# Altium PCB cheriot-test.PcbDoc (part 6 of 12)
Units mil, origin at the board's own origin, x right, y up, seen from the top; angles counter-clockwise.
Board outline 6629.92 x 3149.61 mil, 8 copper layers (Top Layer, Int1 (Sign), Int2 (GND), Int3 (Sign), Int4 (Sign), Int5 (PWR), Int6 (Sign), Bottom Layer), stack 60.424 mil thick; 496 components, 639 nets, 2898 pads, 1737 vias.
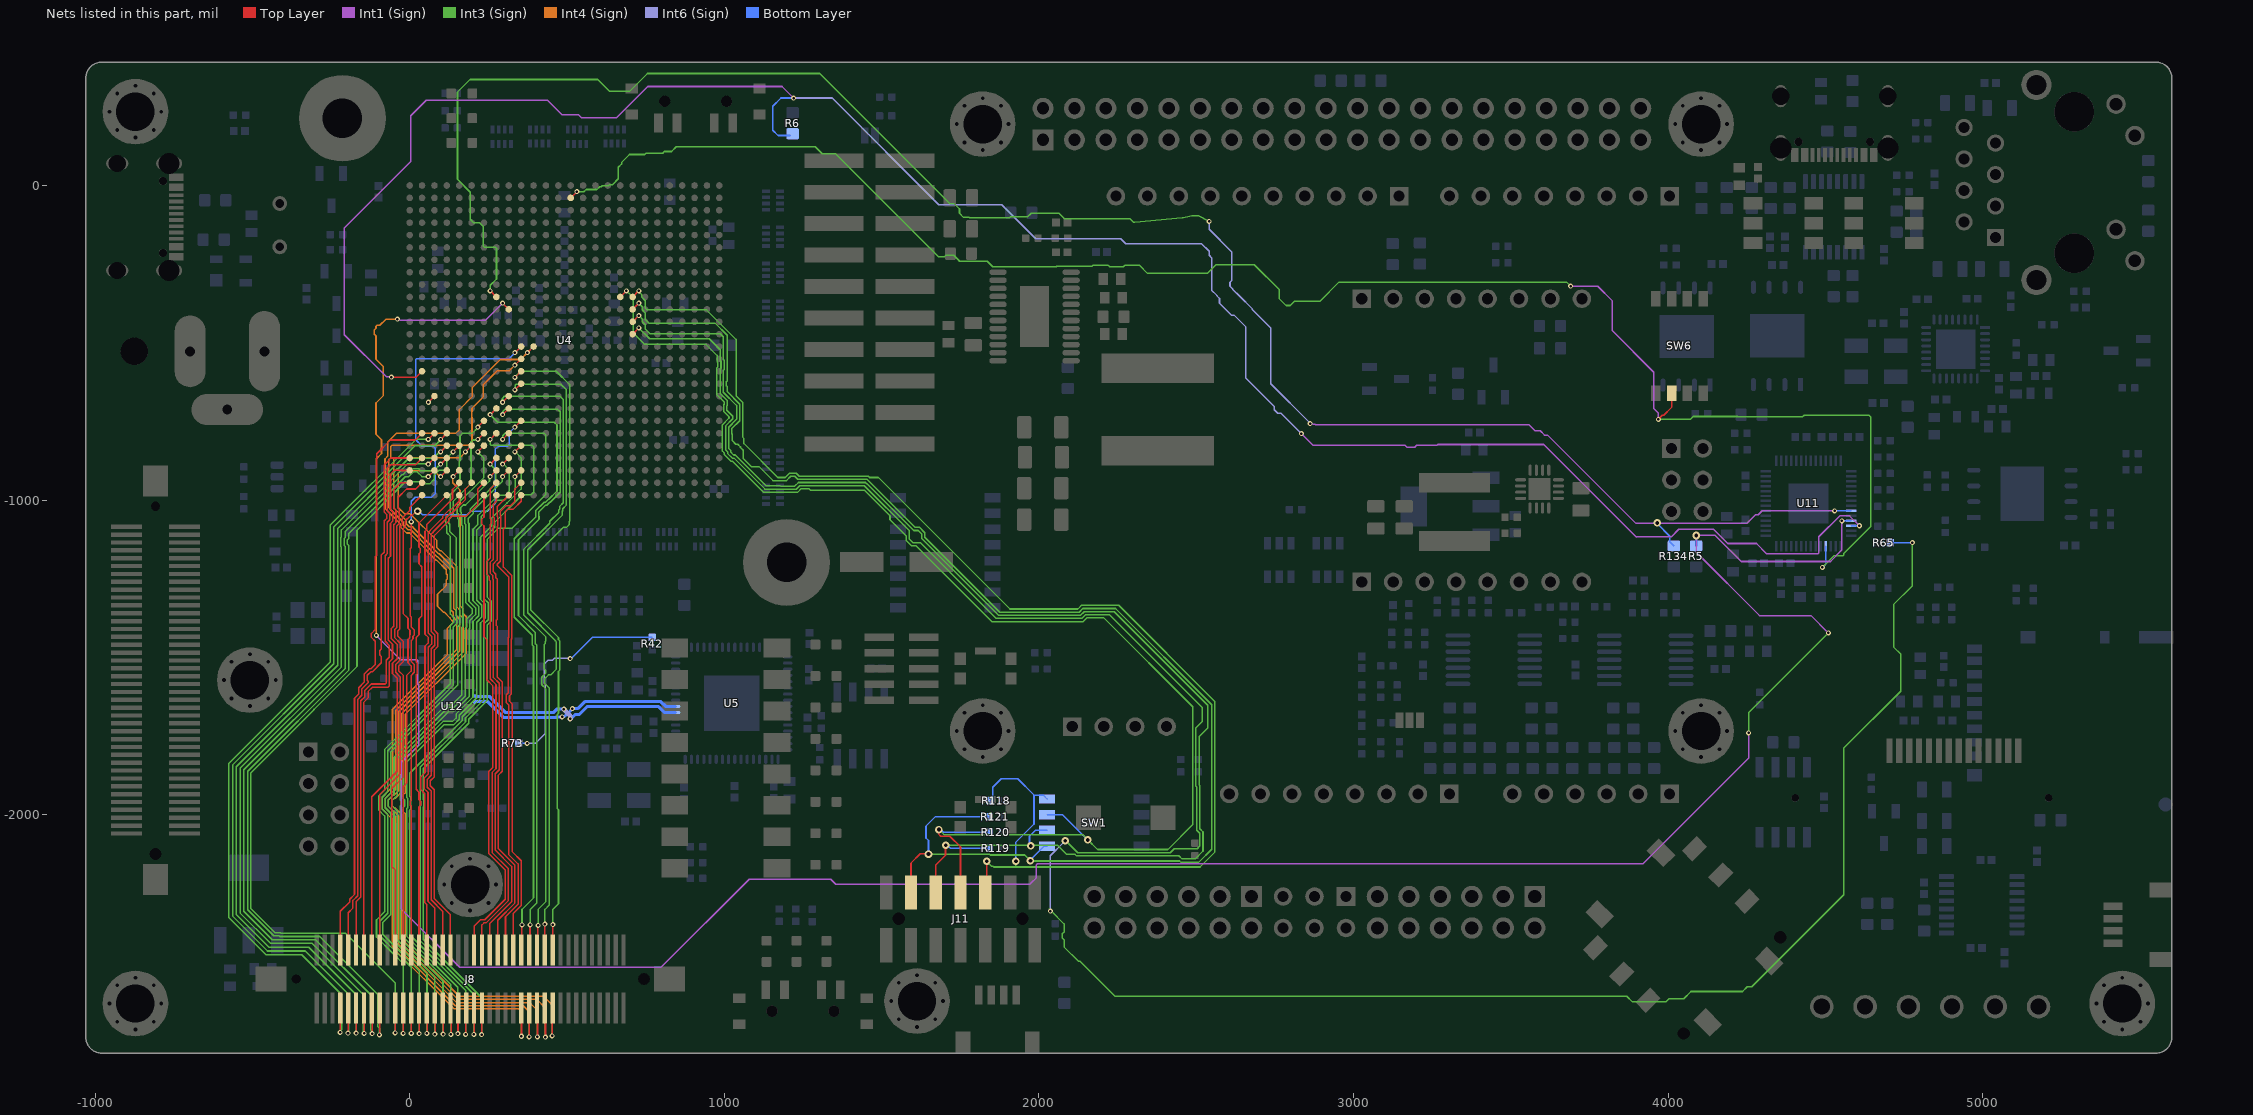
[diagram p12: the nets of this part, all layers, seen from the top]

## Via types
v1: diameter 16, hole 8, Top Layer to Bottom Layer, tented both sides, 1442 vias
v2: diameter 24, hole 12, Top Layer to Bottom Layer, tented both sides, 257 vias
v3: diameter 23.62, hole 11.81, Top Layer to Bottom Layer, tented both sides, 16 vias
v4: diameter 45, hole 20, Top Layer to Bottom Layer, 14 vias
v5: diameter 19.68, hole 8, Top Layer to Bottom Layer, 8 vias

## Nets (pads, with @x,y where several pads share a name; then routed paths per layer and width w, separated by ;. In a path a pad name is that pad's centre, name@x,y a point inside that pad or via, vN(x,y) a via of type N, cw(c..) or ccw(c..) an arc to the next point about the centre after c; other vN are vias at no path point) (continued)
EX1_16: J8.19 U4.U16 | length 2128.9
  Top Layer w5: v1(334.65,-610.24) U4.U16@354.33,-590.55 ; J8.19@454.35,-2426.35 v1@454.35,-2349.65
  Int3 (Sign) w5: v1@336,-610 336,-606 352,-590 466,-590 508.26,-632.26 508.26,-1066.81 507.42,-1067.64 507.42,-1077.63 498.34,-1086.71 488.36,-1086.71 385,-1190.06 385,-1349 473,-1437 473,-1442.94 476.5,-1446.44 476.5,-1541.22 473,-1544.72 473,-1677.58 468.75,-1681.83 468.75,-1980.29 473,-1984.54 473,-2283 455,-2301 v1(455,-2349)
EX1_17: J8.20 U4.AB24 | length 2349
  Top Layer w5: v1(137.8,-925.2) U4.AB24@157.48,-905.51 ; v1(453,-2703) 453.65,-2702.35 J8.20@453.65,-2625.65
  Int4 (Sign) w5: v1@138,-928 137,-929 137,-945 160.06,-968.06 160.06,-1011.87 151.5,-1020.44 151.5,-1041.56 160.06,-1050.13 160.06,-1335.92 168.5,-1344.35 168.5,-1359.42 179.5,-1370.42 179.5,-1487.22 -14.5,-1681.22 -14.5,-1931.15 -28,-1944.65 -28,-1955.08 -26.5,-1956.58 -26.5,-1969.42 -28,-1970.92 -28,-1982.35 -14.5,-1995.85 -14.5,-2405.07 157.43,-2577 425.47,-2577 453,-2604.53 v1(453,-2703)
EX1_18: J8.21 U4.U17 | length 2105.8
  Top Layer w5: v1(334.65,-649.61) U4.U17@354.33,-629.92 ; J8.21@429.35,-2425.35 v1@429.35,-2348.65
  Int3 (Sign) w5: v1@335,-646 335,-635 338.52,-631.48 480.48,-631.48 498.26,-649.26 498.26,-1015.74 486.5,-1027.5 486.5,-1033.56 484.5,-1035.56 484.5,-1048.56 375,-1158.06 375,-1358 463,-1446 463,-1447.08 466.5,-1450.58 466.5,-1537.08 448.08,-1555.5 440.92,-1555.5 429.5,-1566.92 429.5,-1583.08 443,-1596.58 443,-2288 430,-2301 v1(430,-2348)
EX1_19: J8.22 U4.AC24 | length 2586.5
  Top Layer w5: v1(98.43,-925.2) U4.AC24@118.11,-905.51 ; v1@431.65,-2706.35 J8.22@431.65,-2629.65
  Int4 (Sign) w5: v1@97,-925 96,-925 77,-906 -28,-906 -36,-914 -36,-1023.92 -16.67,-1043.25 1.17,-1043.25 86.5,-1128.58 86.5,-1151.42 95.58,-1160.5 99.5,-1160.5 150.06,-1211.06 150.06,-1340.06 158.5,-1348.5 158.5,-1363.56 169.5,-1374.56 169.5,-1483.07 -24.5,-1677.07 -24.5,-1927.01 -44.99,-1947.5 -48.42,-1947.5 -57.5,-1956.58 -57.5,-1969.42 -48.42,-1978.5 -45.99,-1978.5 -24.5,-1999.99 -24.5,-2409.21 153.29,-2587 404.36,-2587 431,-2613.64 v1(431,-2707)
EX1_20: J8.23 U4.V18 | length 2098
  Top Layer w5: v1(295.28,-688.98) U4.V18@314.96,-669.29 ; J8.23@407.35,-2429.35 407.35,-2352.65 v1(408,-2352)
  Int3 (Sign) w5: v1@295,-689 295,-676 301,-670 478,-670 488.26,-680.26 488.26,-1008.66 476.5,-1020.42 476.5,-1029.42 474.5,-1031.42 474.5,-1038.42 445.5,-1067.42 445.5,-1073.42 362,-1156.92 362,-1364 433,-1435 433,-1447.08 430.5,-1449.58 430.5,-1456.42 427.5,-1459.42 427.5,-1537.08 433,-1542.58 433,-1549.28 419.5,-1562.78 419.5,-1587.22 433,-1600.72 433,-2276 408,-2301 v1(408,-2352)
EX1_21: J8.24 U4.AA22 | length 2703.1
  Top Layer w5: v1(177.17,-846.46) U4.AA22@196.85,-826.77 ; v1@406.65,-2705.35 J8.24@406.65,-2628.65
  Int4 (Sign) w5: v1@176,-847 176,-849 159,-866 -47.07,-866 -50,-868.93 -50,-1025.14 -10.5,-1064.64 -10.5,-1075.42 -1.42,-1084.5 9.36,-1084.5 11.06,-1086.21 11.06,-1087.78 76.5,-1153.22 76.5,-1155.56 91.44,-1170.5 93.78,-1170.5 140.06,-1216.78 140.06,-1344.2 148.5,-1352.64 148.5,-1367.7 159.5,-1378.7 159.5,-1478.93 -34.5,-1672.93 -34.5,-1922.87 -49.13,-1937.5 -52.56,-1937.5 -67.5,-1952.44 -67.5,-1973.56 -52.56,-1988.5 -50.13,-1988.5 -34.5,-2004.13 -34.5,-2413.35 149.15,-2597 381,-2597 406,-2622 v1(406,-2706) ; v1@180,-845 v1@180,-843.62
EX1_22: J8.25 U4.V19 | length 2025.3
  Top Layer w5: v1(295.28,-728.35) U4.V19@314.96,-708.66 ; J8.25@382.35,-2427.35 v1@382.35,-2350.65
  Int3 (Sign) w5: v1(295.28,-728.35) 296.61,-727.02 296.61,-717.76 303.36,-711 470.07,-711 478.26,-719.18 478.26,-975.13 446.43,-1006.95 445.32,-1006.95 435.64,-1016.63 431.58,-1016.63 411.15,-1037.06 411.15,-1037.34 410.19,-1038.29 410.19,-1051.13 411.15,-1052.08 411.15,-1060.85 346,-1126 346,-1367 399.5,-1420.5 399.5,-1456.42 403.54,-1460.46 403.54,-2280.46 383,-2301 v1(383,-2350)
EX1_23: J8.26 U4.U15 | length 3080.8
  Top Layer w5: v1(334.65,-570.87) U4.U15@354.33,-551.18 ; v1@380.65,-2705.35 J8.26@380.65,-2628.65
  Int4 (Sign) w5: v1(334.65,-570.87) 316.65,-588.86 278.14,-588.86 234,-633 234,-672 198,-708 198,-719.3 197.38,-719.92 197.38,-736.08 198,-736.7 198,-814 187,-825 -55,-825 -59.5,-829.5 -59.5,-864.29 -67,-871.79 -67,-1023.8 -53.5,-1037.3 -53.5,-1037.36 -20.5,-1070.36 -20.5,-1079.56 -5.56,-1094.5 3.64,-1094.5 66.5,-1157.36 66.5,-1159.7 87.3,-1180.5 89.64,-1180.5 130.06,-1220.92 130.06,-1348.34 138.5,-1356.78 138.5,-1371.85 149.5,-1382.85 149.5,-1474.79 -44.5,-1668.79 -44.5,-1918.73 -53.27,-1927.5 -56.7,-1927.5 -77.5,-1948.3 -77.5,-1977.7 -56.7,-1998.5 -54.27,-1998.5 -44.5,-2008.27 -44.5,-2417.49 145.01,-2607 361,-2607 380,-2626 v1(380,-2706)
EX1_24: J8.27 U4.W19 | length 2019.3
  Top Layer w5: v1(255.91,-728.35) U4.W19@275.59,-708.66 ; J8.27@356.35,-2427.35 v1@356.35,-2350.65
  Int3 (Sign) w5: v1(255.91,-728.35) 279.78,-752.22 459.18,-752.22 468.26,-761.3 468.26,-970.99 442.29,-996.95 441.18,-996.95 431.5,-1006.63 427.44,-1006.63 400.19,-1033.87 400.19,-1054.81 332,-1123 332,-1372 389.5,-1429.5 389.5,-1460.56 393.54,-1464.6 393.54,-2264.46 357,-2301 v1(357,-2350)
EX1_25: J8.28 U4.T14 | length 3136.9
  Top Layer w5: v1(355,-2704) 355.65,-2703.35 J8.28@355.65,-2626.65 ; v1(374.02,-531.5) U4.T14@393.7,-511.81
  Int4 (Sign) w5: 198.93,-654.93 198.93,-642.07 288,-553 352.51,-553 v1(374.02,-531.5) ; 199,-656 199,-671 158,-712 158,-776 147,-787 -41,-787 -69.5,-815.5 -69.5,-860.14 -78.44,-869.08 -78.44,-1026.5 -63.5,-1041.44 -63.5,-1041.5 -30.5,-1074.5 -30.5,-1083.7 -9.7,-1104.5 -0.5,-1104.5 56.5,-1161.5 56.5,-1163.85 83.15,-1190.5 85.5,-1190.5 116.5,-1221.5 116.5,-1234.34 119.74,-1237.58 119.74,-1250.42 116.5,-1253.66 116.5,-1270.96 112.5,-1274.96 112.5,-1276.42 103.42,-1285.5 101.96,-1285.5 88.5,-1298.96 88.5,-1337.42 106.97,-1355.89 110.03,-1355.89 128.5,-1374.37 128.5,-1375.99 137.26,-1384.75 137.26,-1390.32 120.06,-1407.51 120.06,-1490.08 -54.5,-1664.65 -54.5,-1914.59 -57.41,-1917.5 -60.85,-1917.5 -87.5,-1944.15 -87.5,-1981.85 -60.85,-2008.5 -58.41,-2008.5 -54.5,-2012.42 -54.5,-2421.64 140.86,-2617 346,-2617 355,-2626 v1(355,-2704)
EX1_26: J8.29 U4.U26 | length 1518.1
  Top Layer w5: J8.29@329.65,-2429.61 329.65,-2313.47 354.65,-2288.47 354.65,-2145.98 325.5,-2116.84 325.5,-1647.19 324.86,-1646.55 324.86,-1646.39 317.29,-1638.83 317.29,-1622.38 323.24,-1616.43 323.24,-1441.95 324.5,-1440.69 324.5,-1239.44 298,-1212.94 298,-1092.49 303.5,-1086.99 303.5,-1037.58 312.58,-1028.5 329.77,-1028.5 354.33,-1003.94 354.33,-985.67 U4.U26@355,-985
EX1_27: J8.31 U4.U25 | length 1574.8
  Top Layer w5: J8.31@304.65,-2429.61 304.65,-2324.33 344.65,-2284.33 344.65,-2156.6 314.5,-2126.45 314.5,-1650.34 307.06,-1642.9 307.06,-1618.46 313.24,-1612.29 313.24,-1437.81 314.5,-1436.55 314.5,-1243.58 278.74,-1207.82 278.74,-1203.68 287.9,-1194.53 287.9,-1088.45 289.5,-1086.85 289.5,-1049.15 287.9,-1047.55 287.9,-1036 305.4,-1018.5 320.08,-1018.5 334.65,-1003.94 334.65,-964.57 352.21,-947 U4.U25@354,-947
EX1_28: J8.33 U4.V26 | length 1531.2
  Top Layer w5: J8.33@279.65,-2429.61 279.65,-2335.19 334.65,-2280.19 334.65,-2160.74 282,-2108.09 282,-1874.05 294.5,-1861.55 294.5,-1578.07 277.9,-1561.47 277.9,-1400.48 275.5,-1398.08 275.5,-1381.92 277.9,-1379.53 277.9,-1250.82 273.5,-1246.42 273.5,-1235.22 265.5,-1227.22 265.5,-1202.78 277.9,-1190.38 277.9,-1084.31 279.5,-1082.7 279.5,-1053.3 277.9,-1051.69 277.9,-1021.31 313.21,-986 U4.V26@316,-986
EX1_29: J8.35 U4.W26 | length 1524.2
  Top Layer w5: J8.35@254.65,-2429.61 254.65,-2346.04 323.96,-2276.73 323.96,-2164.19 272,-2112.24 272,-1869.91 284.5,-1857.41 284.5,-1582.22 266.06,-1563.78 266.06,-1402.78 265.5,-1402.22 265.5,-1377.78 266.06,-1377.22 266.06,-1253.13 263.5,-1250.56 263.5,-1239.36 255.5,-1231.36 255.5,-1198.64 266.06,-1188.08 266.06,-1082 269.5,-1078.56 269.5,-1057.44 266.06,-1054 266.06,-1013.46 275.59,-1003.94 275.59,-986.41 U4.W26@277,-985
EX1_30: J8.37 U4.W25 | length 1579.6
  Top Layer w5: J8.37@229.65,-2429.61 229.65,-2350.53 236.22,-2343.96 242.59,-2343.96 313.96,-2272.59 313.96,-2171.66 262,-2119.71 262,-1865.77 274.5,-1853.27 274.5,-1586.36 256.06,-1567.92 256.06,-1406.92 255.5,-1406.36 255.5,-1373.64 256.06,-1373.08 256.06,-1257.27 253.5,-1254.7 253.5,-1243.5 245.5,-1235.5 245.5,-1194.5 256.06,-1183.93 256.06,-1077.86 259.5,-1074.42 259.5,-1061.58 256.06,-1058.14 256.06,-964.41 262.91,-957.56 263.44,-957.56 U4.W25@277,-944
EX1_31: J8.38 U4.V21 | length 2441.5
  Top Layer w5: v1@229.65,-2698.35 J8.38@229.65,-2621.65 ; v1(295.28,-807.09) U4.V21@314.96,-787.4
  Int3 (Sign) w5: v1(229,-2699) 229,-2581.58 43,-2395.58 43,-1975.56 44.5,-1974.06 44.5,-1952.94 43,-1951.44 43,-1853.49 187.48,-1709.01 187.48,-1696.43 246,-1637.92 246,-1397.77 259.5,-1384.27 259.5,-1321.73 246,-1308.23 246,-1125.28 282.28,-1089 326,-1089 432,-983 432,-792 427,-787 304.13,-787 295.62,-795.51 295.62,-806.74 v1(295.28,-807.09)
EX1_32: J8.39 U4.Y26 | length 1537.7
  Top Layer w5: J8.39@204.65,-2429.61 204.65,-2354.41 225.1,-2333.96 238.45,-2333.96 303.96,-2268.45 303.96,-2175.8 252,-2123.85 252,-1861.63 264.5,-1849.13 264.5,-1590.5 245,-1571 245,-1443 236.22,-1434.22 236.22,-1240.37 235.5,-1239.65 235.5,-1190.35 236.22,-1189.63 236.22,-1082.14 228.5,-1074.42 228.5,-1061.58 236.22,-1053.86 236.22,-988.78 U4.Y26@238,-987
EX1_33: J8.40 U4.W21 | length 2378
  Top Layer w5: v1@204.65,-2697.35 J8.40@204.65,-2620.65 ; v1(255.91,-807.09) U4.W21@275.59,-787.4
  Int3 (Sign) w5: v1(204,-2698) 204,-2570.72 33,-2399.72 33,-1971.42 34.5,-1969.92 34.5,-1957.08 33,-1955.58 33,-1849.35 177.48,-1704.86 177.48,-1692.29 236,-1633.77 236,-1393.63 249.5,-1380.13 249.5,-1325.87 236,-1312.37 236,-1121.14 270,-1087.14 270,-1071.08 358.08,-983 386,-983 394,-975 394,-831 389,-826 259,-826 256,-823 v1@256,-807
EX1_34: J8.42 U4.U22 | length 2198.1
  Top Layer w5: v1@178.65,-2697.35 J8.42@178.65,-2620.65 ; v1(334.65,-846.46) U4.U22@354.33,-826.77
  Int3 (Sign) w5: v1(178,-2698) 178,-2558.86 0.21,-2381.07 0.21,-1985.14 3.5,-1981.85 3.5,-1944.15 0.21,-1940.86 0.21,-1867.99 167.48,-1700.72 167.48,-1688.15 225.09,-1630.55 225.09,-1390.4 239.5,-1375.99 239.5,-1330.01 225.09,-1315.6 225.09,-1117.91 260,-1083 260,-1058 309,-1009 ; 309.5,-1009.5 354,-965 354,-865 v1@336,-847
EX1_35: J8.44 U4.U24 | length 2132.1
  Top Layer w5: v1(153,-2696) 153.65,-2695.35 J8.44@153.65,-2618.65 ; v1(334.65,-925.2) U4.U24@354.33,-905.51
  Int3 (Sign) w5: v1(153,-2696) 153,-2548 -9.79,-2385.22 -9.79,-1980.99 -6.5,-1977.7 -6.5,-1948.3 -9.79,-1945.01 -9.79,-1833.57 110.28,-1713.5 140.56,-1713.5 157.48,-1696.58 157.48,-1684.01 213.47,-1628.02 213.47,-1387.88 229.5,-1371.85 229.5,-1334.15 213.47,-1318.12 213.47,-1094.67 227,-1081.14 227,-1053.14 280.14,-1000 302,-1000 336,-966 336,-928 v1@335,-927
EX1_36: J8.45 U4.Y25 | length 1616.6
  Top Layer w5: J8.45@129.65,-2429.61 129.65,-2317.8 78.29,-2266.44 78.29,-1920.55 65.82,-1908.08 65.82,-1891.92 78.74,-1879 78.74,-1476.26 89.5,-1465.5 89.5,-1424.5 78.74,-1413.74 78.74,-1112.2 124.5,-1066.44 124.5,-1060.58 133.58,-1051.5 178.81,-1051.5 216.54,-1013.78 216.54,-964.57 233.1,-948 U4.Y25@237,-948
EX1_37: J8.46 U4.V23 | length 2176.4
  Top Layer w5: v1@131.65,-2697.35 J8.46@131.65,-2620.65 ; v1(295.28,-885.83) U4.V23@314.96,-866.14
  Int3 (Sign) w5: v1(131,-2698) 131,-2540.15 -19.79,-2389.36 -19.79,-1976.85 -16.5,-1973.56 -16.5,-1952.44 -19.79,-1949.15 -19.79,-1829.43 106.14,-1703.5 136.42,-1703.5 147.48,-1692.44 147.48,-1679.86 201.4,-1625.95 201.4,-1385.8 219.5,-1367.7 219.5,-1338.3 201.4,-1320.2 201.4,-1092.6 217,-1077 217,-1049 281,-985 302.86,-985 316,-971.86 316,-903 308,-895 307.43,-895 298.43,-886 v1@296,-886
EX1_38: J8.47 U4.AA25 | length 1570
  Top Layer w5: J8.47@104.65,-2429.61 104.65,-2306.94 68.29,-2270.58 68.29,-1924.69 55.82,-1912.22 55.82,-1887.78 68.74,-1874.86 68.74,-1472.12 79.5,-1461.36 79.5,-1428.64 68.74,-1417.88 68.74,-1108.06 74.65,-1102.16 74.65,-1100.91 114.5,-1061.06 114.5,-1056.44 129.44,-1041.5 134.06,-1041.5 177.17,-998.39 177.17,-964.57 191.73,-950 U4.AA25@194,-950
EX1_39: J8.48 U4.V24 | length 2097.9
  Top Layer w5: v1@106.65,-2696.35 J8.48@106.65,-2619.65 ; v1(295.28,-925.2) U4.V24@314.96,-905.51
  Int3 (Sign) w5: v1(106,-2697) 106,-2529.29 -29.79,-2393.5 -29.79,-1972.71 -26.5,-1969.42 -26.5,-1956.58 -29.79,-1953.29 -29.79,-1825.29 125.56,-1669.94 143.27,-1669.94 189.33,-1623.88 189.33,-1408.96 191.4,-1406.89 191.4,-1381.66 209.5,-1363.56 209.5,-1342.44 188.5,-1321.44 188.5,-1074.15 186,-1071.65 186,-1058.06 202.5,-1041.56 202.5,-1032.5 294.3,-940.7 294.3,-927.7 v1@295,-927
EX1_40: J8.49 U4.AB26 | length 1514.9
  Top Layer w5: J8.49@79.65,-2429.61 79.65,-2296.08 58.29,-2274.72 58.29,-1928.83 45.82,-1916.36 45.82,-1883.64 58.74,-1870.71 58.74,-1467.98 69.5,-1457.22 69.5,-1432.78 58.74,-1422.02 58.74,-1103.92 64.65,-1098.02 64.65,-1096.77 104.5,-1056.92 104.5,-1052.3 125.3,-1031.5 129.92,-1031.5 157.48,-1003.94 157.48,-991.48 U4.AB26@154,-988
EX1_41: J8.50 U4.W23 | length 2147.7
  Top Layer w5: v1@80.65,-2696.35 J8.50@80.65,-2619.65 ; v1(255.91,-885.83) U4.W23@275.59,-866.14
  Int3 (Sign) w5: v1(80,-2697) 80,-2517.43 -39.79,-2397.64 -39.79,-1987.13 -57.5,-1969.42 -57.5,-1956.58 -39.79,-1938.87 -39.79,-1821.15 121.42,-1659.94 139.12,-1659.94 177.26,-1621.8 177.26,-1406.89 181.4,-1402.75 181.4,-1377.52 199.5,-1359.42 199.5,-1346.58 178.5,-1325.58 178.5,-1078.3 175.5,-1075.3 175.5,-1054.42 192.5,-1037.42 192.5,-1028.36 274,-946.86 274,-903.94 v1(255.91,-885.83)
EX1_42: J8.51 U4.AB25 | length 1552.5
  Top Layer w5: J8.51@54.65,-2429.61 54.65,-2285.22 48.29,-2278.87 48.29,-1932.98 35.82,-1920.5 35.82,-1879.5 48.74,-1866.57 48.74,-1463.84 59.5,-1453.08 59.5,-1436.92 48.74,-1426.16 48.74,-1099.78 54.65,-1093.87 54.65,-1077.24 136.04,-995.85 136.04,-966.32 155.36,-947 U4.AB25@159,-947
EX1_43: J8.52 U4.W24 | length 2082.1
  Top Layer w5: v1(55,-2695) 55.65,-2694.35 J8.52@55.65,-2617.65 ; v1(255.91,-925.2) U4.W24@275.59,-905.51
  Int3 (Sign) w5: v1(55,-2695) 55,-2506.57 -49.79,-2401.78 -49.79,-1991.27 -67.5,-1973.56 -67.5,-1952.44 -49.79,-1934.73 -49.79,-1817.01 117.28,-1649.94 134.98,-1649.94 165.19,-1619.73 165.19,-1404.82 169.5,-1400.5 169.5,-1359.5 168.5,-1358.5 168.5,-1082.44 165.5,-1079.44 165.5,-1056.44 164.5,-1055.44 164.5,-1040.42 161.5,-1037.42 161.5,-1024.58 170.58,-1015.5 177.5,-1015.5 253.8,-939.2 253.8,-929.2 v1@258,-925
EX1_44: J8.53 U4.AC26 | length 1506.2
  Top Layer w5: J8.53@29.65,-2429.61 29.65,-1974.77 34.5,-1969.92 34.5,-1957.08 29.65,-1952.23 29.65,-1928.48 20.5,-1919.33 20.5,-1555.36 24.5,-1551.36 24.5,-1518.64 20.5,-1514.64 20.5,-1436.92 29.65,-1427.78 29.65,-1377.27 38.5,-1368.42 38.5,-1211.58 29.65,-1202.73 29.65,-1170.27 33.5,-1166.42 33.5,-1153.58 29.65,-1149.73 29.65,-1072.72 115.36,-987 U4.AC26@118,-987
EX1_45: J8.54 U4.Y22 | length 2164.5
  Top Layer w5: v1@30.65,-2695.35 J8.54@30.65,-2618.65 ; v1(216.54,-846.46) U4.Y22@236.22,-826.77
  Int3 (Sign) w5: v1(30,-2696) 30,-2495.72 -85.5,-2380.22 -85.5,-2342.58 -59.79,-2316.87 -59.79,-1995.42 -77.5,-1977.7 -77.5,-1948.3 -59.79,-1930.58 -59.79,-1800.87 153.12,-1587.96 153.12,-1402.75 159.5,-1396.36 159.5,-1363.64 158.5,-1362.64 158.5,-1086.58 155.5,-1083.58 155.5,-1060.58 153.12,-1058.2 153.12,-1043.18 151.5,-1041.56 151.5,-1020.44 153.12,-1018.82 153.12,-1010.88 236,-928 236,-867 216.54,-847.54 v1(216.54,-846.46)
EX1_46: J8.55 U4.U14 | length 2356.9
  Top Layer w5: J8.55@4.65,-2429.61 4.65,-1972.57 2,-1969.92 2,-1957.08 4.65,-1954.43 4.65,-1557.07 14.5,-1547.22 14.5,-1522.78 4.65,-1512.93 4.65,-1447.07 10.5,-1441.22 10.5,-1432.78 14.5,-1428.78 14.5,-1412.78 4.65,-1402.93 4.65,-1371.57 2.5,-1369.42 2.5,-1153.58 4.65,-1151.43 v1@4.65,-1069 ; v1(334.65,-531.5) U4.U14@354.33,-511.81
  Bottom Layer w5: v1(5,-1069) 5,-1004 18,-991 69,-991 81,-979 81,-835 74,-828 39,-828 19,-808 19,-552.93 21.93,-550 316.14,-550 v1(334.65,-531.5)
EX1_47: J8.56 U4.Y21 | length 2207.1
  Top Layer w5: v1@5.65,-2694.35 J8.56@5.65,-2617.65 ; v1(216.54,-807.09) U4.Y21@236.22,-787.4
  Int3 (Sign) w5: v1(5,-2695) 5,-2484.86 -43.43,-2436.43 -95.5,-2384.36 -95.5,-2338.44 -69.79,-2312.73 -69.79,-1999.56 -87.5,-1981.85 -87.5,-1944.15 -69.79,-1926.44 -69.79,-1796.73 138.97,-1587.96 138.97,-1402.75 149.5,-1392.22 149.5,-1367.78 148.5,-1366.78 148.5,-1120.42 127.5,-1099.42 127.5,-1076.42 124.5,-1073.42 124.5,-1060.58 138.97,-1046.11 138.97,-1003.03 195,-947 195,-894.99 196.09,-893.9 196.09,-877.75 195,-876.66 195,-815 201.04,-808.96 214.04,-808.96 v1@216,-807
EX1_48: J8.57 U4.U20 | length 2019.9
  Top Layer w5: J8.57@-20.35,-2429.61 -20.35,-1910.12 -9.84,-1899.61 -9.84,-1557.42 4.5,-1543.08 4.5,-1526.92 -5.35,-1517.07 -5.35,-1442.93 0.5,-1437.08 0.5,-1428.64 1.02,-1428.12 1.02,-1413.44 -5.35,-1407.07 -5.35,-1375.71 -21,-1360.06 -21,-1090.77 -13.5,-1083.27 -13.5,-1066.65 -10.5,-1063.65 -10.5,-1062.58 -1.42,-1053.5 -0.35,-1053.5 5.7,-1047.45 9.23,-1047.45 21.02,-1035.66 v2(25.02,-1035.66) ; v1(334.65,-767.72) U4.U20@354.33,-748.03
  Bottom Layer w5: v2@29,-1037 31.5,-1037 41,-1046.5 183.42,-1046.5 194.26,-1035.66 247.34,-1035.66 272.5,-1010.5 272.5,-837.5 282,-828 311,-828 317,-822 317,-785.36 v1(334.65,-767.72)
EX1_49: J8.58 U4.Y20 | length 2253.9
  Top Layer w5: v1@-20.35,-2694.35 J8.58@-20.35,-2617.65 ; v1(216.54,-767.72) U4.Y20@236.22,-748.03
  Int3 (Sign) w5: v1(-21,-2695) -21,-2473 -50.5,-2443.5 -53.43,-2440.57 -105.5,-2388.5 -105.5,-2334.3 -79.79,-2308.58 -79.79,-2003.7 -97.5,-1985.99 -97.5,-1940.01 -79.79,-1922.3 -79.79,-1792.58 128.97,-1583.82 128.97,-1398.6 139.5,-1388.08 139.5,-1371.92 129.5,-1361.92 129.5,-1115.56 117.5,-1103.56 117.5,-1082.44 114.5,-1079.44 114.5,-1056.44 128.97,-1041.96 128.97,-983.03 160,-952 160,-896.82 157.09,-893.9 157.09,-877.75 160,-874.84 160,-796 169,-787 186,-787 187,-788 198,-788 v1@216,-770
EX1_50: J8.59 U4.AE26 | length 1516.7
  Top Layer w5: J8.59@-45.35,-2429.61 -45.35,-2175.81 -57.5,-2163.66 -57.5,-1917.74 -19.84,-1880.08 -19.84,-1557.73 -34.5,-1543.08 -34.5,-1526.92 -19.84,-1512.27 -19.84,-1450.4 -37.98,-1432.26 -37.98,-1416.11 -31,-1409.12 -31,-1086.63 -23.5,-1079.13 -23.5,-1056.96 0.93,-1032.53 0.93,-1022.69 35.62,-988 U4.AE26@39.92,-988
EX1_51: J8.60 U4.AB22 | length 2600.2
  Top Layer w5: v1(-46,-2693) -45.35,-2692.35 J8.60@-45.35,-2615.65 ; v1(137.8,-846.46) U4.AB22@157.48,-826.77
  Int3 (Sign) w5: v1(-46,-2693) -46,-2535 -204,-2377 -409,-2377 -411,-2375 -427.86,-2375 -505,-2297.86 -505,-1867 -304,-1666 -304,-1665.14 -167.5,-1528.64 -167.5,-1095.5 -14,-942 31,-942 37,-948 55.08,-948 55.58,-947.5 64.5,-947.5 78.15,-933.85 78.15,-919.85 93,-905 110,-905 118,-897 118,-866.25 134.2,-850.05 v1@134.2,-847.2
EX1_52: J8.63 U4.AE25 | length 1586.4
  Top Layer w5: J8.63@-95.35,-2429.61 -95.35,-1935.91 -29.84,-1870.39 -29.84,-1561.88 -44.5,-1547.22 -44.5,-1522.78 -29.84,-1508.12 -29.84,-1454.54 -47.98,-1436.4 -47.98,-1411.96 -41,-1404.98 -41,-1082.49 -33.5,-1074.99 -33.5,-1029.01 -36.5,-1026.01 -36.5,-991.22 -9.84,-964.57 19.69,-964.57 37,-947.25 U4.AE25@37,-945
EX1_53: J8.64 U4.AD24 | length 2434.1
  Top Layer w5: v1@-95.35,-2699.35 J8.64@-95.35,-2622.65 ; v1(59.06,-925.2) U4.AD24@78.74,-905.51
  Int3 (Sign) w5: v1(-96,-2700) -96,-2678.95 -101,-2673.95 -101,-2572 -286,-2387 -413.14,-2387 -415.14,-2385 -432,-2385 -515,-2302 -515,-1862 -193,-1540 -193,-1144.92 -198.5,-1139.42 -198.5,-1126.58 -193,-1121.08 -193,-1105 -14,-926 -3.87,-926 11.63,-910.5 24.48,-910.5 39.17,-925.2 58.8,-925.2 v1@59,-925
EX1_54: J8.65 U4.AF25 | length 1583
  Top Layer w5: J8.65@-120.35,-2429.61 -120.35,-1942.68 -39.84,-1862.17 -39.84,-1566.02 -54.5,-1551.36 -54.5,-1518.64 -39.84,-1503.98 -39.84,-1458.69 -57.98,-1440.54 -57.98,-1407.82 -51,-1400.84 -51,-1078.35 -43.5,-1070.85 -43.5,-1033.15 -51,-1025.65 -51,-966.35 -29.53,-944.88 -4.88,-944.88 U4.AF25@-3,-943
EX1_55: J8.66 U4.AC23 | length 2483.8
  Top Layer w5: v1@-118.35,-2695.35 J8.66@-118.35,-2618.65 ; v1(98.43,-885.83) U4.AC23@118.11,-866.14
  Int3 (Sign) w5: v1(-119,-2696) -119,-2688.47 -124,-2683.47 -124,-2572 -299,-2397 -436.97,-2397 -527,-2306.97 -527,-1857.03 -205,-1535.03 -205,-1147.06 -208.5,-1143.56 -208.5,-1122.44 -205,-1118.94 -205,-1100.03 -24.99,-920.01 -22.16,-920.01 -8.14,-906 1.99,-906 7.49,-900.5 28.62,-900.5 34.12,-906 77,-906 97,-886 v1@99,-886
EX1_56: J8.67 U4.AF24 | length 1660.8
  Top Layer w5: J8.67@-145.35,-2429.61 -145.35,-1641.93 -132.21,-1628.79 -132.21,-1608.59 -118.12,-1594.5 -68.5,-1594.5 -64.5,-1590.5 -64.5,-1514.5 -54.5,-1504.5 -54.5,-1458.17 -67.98,-1444.69 -67.98,-1184.48 -61,-1177.5 -61,-1074.2 -53.5,-1066.7 -53.5,-1037.3 -61,-1029.8 -61,-917.3 -49.21,-905.51 -17.93,-905.51 -17.42,-905 U4.AF24@1,-905
EX1_57: J8.68 U4.AD23 | length 2442.6
  Top Layer w5: v1@-144.35,-2694.35 J8.68@-144.35,-2617.65 ; v1(59.06,-885.83) U4.AD23@78.74,-866.14
  Int3 (Sign) w5: v1(-145,-2695) -147,-2693 -147,-2572 -310,-2409 -441.94,-2409 -539,-2311.94 -539,-1852.06 -217,-1530.06 -217,-1149.2 -218.5,-1147.7 -218.5,-1118.3 -217,-1116.8 -217,-1095.06 -6.94,-885 v1@59,-885
EX1_58: J8.69 U4.AE23 | length 1737.6
  Top Layer w5: J8.69@-170.35,-2429.61 -170.35,-2276.65 -155.35,-2261.65 -155.35,-1637.79 -142.21,-1624.65 -142.21,-1604.45 -122.26,-1584.5 -77.43,-1584.5 -74.5,-1581.57 -74.5,-1509.36 -64.5,-1499.36 -64.5,-1462.31 -77.98,-1448.83 -77.98,-1176.79 -71,-1169.81 -71,-1070.06 -63.5,-1062.56 -63.5,-1041.44 -71,-1033.94 -71,-897.77 -60.47,-887.25 18.27,-887.25 36.51,-869 U4.AE23@38,-869
EX1_59: J8.70 U4.AC22 | length 2497.7
  Top Layer w5: v1@-169.35,-2693.35 J8.70@-169.35,-2616.65 ; v1(98.43,-846.46) U4.AC22@118.11,-826.77
  Int3 (Sign) w5: v1(-170,-2694) -170,-2572 -321,-2421 -446.91,-2421 -551,-2316.91 -551,-1847.09 -229,-1525.09 -229,-1090.09 -39.46,-900.54 -36.63,-900.54 -3.08,-867 75,-867 94,-848 v1@95,-848
EX1_60: J8.71 U4.AF23 | length 1694.8
  Top Layer w5: J8.71@-195.35,-2429.61 -195.35,-2311.5 -180.35,-2296.5 -180.35,-2272.51 -165.35,-2257.51 -165.35,-1633.65 -152.21,-1620.51 -152.21,-1600.31 -131.81,-1579.91 -131.81,-1575.76 -134.5,-1573.08 -134.5,-1556.92 -123.08,-1545.5 -118.22,-1545.5 -90,-1517.28 -90,-1496.92 -95.5,-1491.42 -95.5,-1478.58 -90,-1473.08 -90,-1174.67 -81,-1165.67 -81,-1065.92 -73.5,-1058.42 -73.5,-1045.58 -81,-1038.08 -81,-888.09 -59.06,-866.14 U4.AF23@0,-866.14
EX1_61: J8.72 U4.AC21 | length 2525.1
  Top Layer w5: v1@-195.35,-2693.35 J8.72@-195.35,-2616.65 ; v1(98.43,-807.09) U4.AC21@118.11,-787.4
  Int3 (Sign) w5: v1(-196,-2694) -193,-2691 -193,-2572 -332,-2433 -451.88,-2433 -563,-2321.88 -563,-1842.12 -241,-1520.12 -241,-1085.12 17.12,-827 80,-827 96,-811 v1@96,-808
EX1_62: J8.73 U4.AE21 | length 1808.7
  Top Layer w5: J8.73@-220.35,-2429.61 -220.35,-2306.97 -190.35,-2276.97 -190.35,-2268.37 -175.35,-2253.37 -175.35,-1629.5 -162.21,-1616.36 -162.21,-1596.17 -144.5,-1578.45 -144.5,-1552.78 -127.22,-1535.5 -122.36,-1535.5 -109.5,-1522.64 -109.5,-1448.42 -121.5,-1436.42 -121.5,-1423.58 -109.5,-1411.58 -109.5,-1180.02 -104.5,-1175.02 -104.5,-852.53 -60.81,-808.84 17.93,-808.84 U4.AE21@39.37,-787.4
EX1_63: J8.74 U4.AD21 | length 2491.3
  Top Layer w5: v1(-221,-2692) -220.35,-2691.35 J8.74@-220.35,-2614.65 ; v1(59.06,-807.09) U4.AD21@78.74,-787.4
  Int3 (Sign) w5: v1(-221,-2692) -221,-2686.47 -216,-2681.47 -216,-2572 -343,-2445 -456.85,-2445 -575,-2326.85 -575,-1837.15 -253,-1515.15 -253,-1080.15 20.15,-807 v1@57,-807
EX1_64: U4.AD18 | length 27.7
  Top Layer w5: v1(59.5,-688.98) 59.5,-688.75 78.74,-669.51 U4.AD18@78.74,-669.29
FPGA_CCLK: R65.1 U4.H13 | length 7840.9
  Top Layer w5: U4.H13@708.66,-472.44 v1(728.35,-452.76)
  Int3 (Sign) w5: v1(728.35,-452.76) 763.02,-487.43 952.43,-487.43 987,-522 987,-556.94 989.5,-559.44 989.5,-580.56 986.5,-583.56 986.5,-660.71 1010,-684.21 1010,-699.4 1008.16,-701.24 1008.16,-714.08 1027.12,-733.04 1027.12,-741.22 1004,-764.35 1004,-840 1010.5,-846.5 1010.5,-851.56 1025.44,-866.5 1030.5,-866.5 1129,-965 1165.5,-965 1166,-965.5 1228.44,-965.5 1239.94,-954 1445,-954 1588.5,-1097.5 1588.5,-1124.08 1599.92,-1135.5 1623.5,-1135.5 1864,-1376 2136.45,-1376 2147.95,-1364.5 2224.5,-1364.5 2519,-1659 2519,-1703.5 2499,-1723.5 2499,-1909.85 2501.48,-1912.34 2501.48,-2049.01 2511.48,-2059.01 2511.48,-2099.52 2503,-2108 2429.83,-2108 2417.4,-2120.42 2123.42,-2120.42 2085.5,-2082.5 v2(2084,-2082.5) ; 2032.21,-2299.21 2032.21,-2299.58 2036.33,-2303.7 v1(2036.33,-2306.67) 2037,-2306 v1@2038,-2306 ; v1@2038.5,-2305.5 2080,-2347 2080,-2373.08 2074.5,-2378.58 2074.5,-2391.42 2080,-2396.92 2080,-2420.43 2125.57,-2466 2130.72,-2466 2241.49,-2576.78 3868.13,-2576.78 3886.28,-2594.92 3992.43,-2594.92 4002.43,-2584.92 4049.27,-2584.92 4072.43,-2561.76 4236.37,-2561.76 4251.13,-2547 4265.27,-2547 4557.93,-2254.33 4557.93,-1788.08 4738.9,-1607.12 4738.9,-1489.23 4716.51,-1466.84 4716.51,-1332.11 4775.98,-1272.63 v1(4775.98,-1134.92)
  Int6 (Sign) w5: v1(2036.33,-2306.67) 2036.33,-2130.17 2079.5,-2087 v2@2084,-2087
  Bottom Layer w5: R65.1@4705.67,-1135.29 4775.62,-1135.29 v1(4775.98,-1134.92)
FPGA_DONE: R134.2 U4.W10 U11.9 | length 6159.6
  Top Layer w5: v1(255.91,-334.65) U4.W10@275.59,-354.33
  Int1 (Sign) w5: v1(2861.96,-757.04) 2863.42,-758.5 2876.8,-758.5 2879.3,-761 3558.59,-761 3577.01,-779.42 3593.07,-779.42 3606.88,-793.23 3616.66,-793.23 3896.36,-1072.93 3964.59,-1072.93 v2(3965,-1072.52) ; v2@3965,-1072.93 4251.25,-1072.93 4277.76,-1046.42 4286.71,-1046.42 4298.95,-1034.18 v1(4529.06,-1034.18)
  Int3 (Sign) w5: v1(255.91,-334.65) 255.91,-317.2 276,-297.1 276,-199 273,-196 238,-196 234,-192 234,-130 222,-118 203,-118 192.67,-107.67 192.67,-21.17 152,19.5 152,297 192,337 598,337 635.93,299.07 699.07,299.07 756,356 1303,356 1716.5,-57.5 1730.22,-57.5 1747.5,-74.78 1747.5,-88.5 1760.5,-101.5 1778.92,-101.5 1780.42,-103 1906.37,-103 1909.87,-99.5 1963.82,-99.5 1975.32,-88.01 2063.81,-88.01 2081.3,-105.5 2289.7,-105.5 2300.73,-116.54 2304.88,-116.54 2455.33,-102.64 2458.66,-102.28 2486.4,-96.54 2507.52,-96.54 v1(2541,-114.23)
  Int6 (Sign) w5: v1(2541,-114.23) 2541,-139 2613,-211 2613,-272 ; 2612.5,-272 2612.5,-302.18 2607.25,-307.43 2607.25,-320.54 2615.92,-329.21 2615.92,-330.22 2636.44,-350.74 ; 2636.46,-350.74 2678.5,-392.78 2678.5,-394.14 2682.93,-398.57 2682.93,-398.93 2737.1,-453.1 2737.1,-629.98 2861.96,-754.84 v1(2861.96,-757.04)
  Bottom Layer w5: v2(3965,-1072.52) 3965,-1074.53 4005.35,-1114.88 4005.35,-1132.6 R134.2@4018.11,-1145.35 ; v1(4529.06,-1034.18) U11.9@4581.81,-1034.18
FPGA_INITB: R5.2 U4.V11 U11.11 | length 8883.2
  Top Layer w5: v1(295.28,-374.02) U4.V11@314.96,-393.7
  Int1 (Sign) w5: v1(-106,-1430) -29,-1507 23.07,-1507 26,-1509.93 26,-1583 29,-1586 29,-1778 -26.5,-1833.5 -26.5,-2299.5 159,-2485 799,-2485 1079.04,-2204.96 1338.38,-2204.96 1354.42,-2221 1971,-2221 1992,-2200 1992,-2158.93 1994.93,-2156 3920,-2156 4256,-1820 v1(4256,-1740) ; v1(-39,-425) -36.02,-425 -32.14,-428.89 240.41,-428.89 v1(295.28,-374.02) ; v2@4085,-1117 4088.98,-1120.98 4088.98,-1165.98 4290,-1367 4454,-1367 v1(4509,-1422) ; v2(4088.98,-1112.43) 4089.52,-1111.89 4148.89,-1111.89 4232,-1195 4516,-1195 4552.08,-1158.92 v1(4552.08,-1065.68)
  Int3 (Sign) w5: v1(4256,-1740) 4256,-1675 v1(4509,-1422)
  Int4 (Sign) w5: v1(-106,-1430) -106,-868.36 -89.5,-851.86 -89.5,-808.15 -107,-790.65 -107,-691 -83.5,-667.5 -83.5,-626.5 -83.89,-626.11 -83.89,-575.64 -107,-552.53 -107,-477.92 -112.5,-472.42 -112.5,-459.58 -107,-454.08 -107,-448 -103.5,-444.5 -94.87,-444.5 -75.37,-425 v1(-39,-425)
  Bottom Layer w5: v1(4552.08,-1065.68) U11.11@4581.81,-1065.68
  Bottom Layer w8: R5.2@4088.98,-1145.35 v2(4088.98,-1112.43)
FPGA_PGMB: R6.2 U4.AE16 U11.12 | length 6938
  Top Layer w5: v1(-58.39,-609.09) -58.29,-609 20.92,-609 U4.AE16@39.37,-590.55
  Int1 (Sign) w5: v1(-58.39,-609.09) -59.37,-608.11 -73.89,-608.11 -208,-474 -208,-135 3.5,76.5 3.5,222.08 52.75,271.33 437.71,271.33 484.54,224.5 536.5,224.5 545,216 657.96,216 756.51,314.55 1183.45,314.55 v1(1220,278) ; v1(2834,-788.39) 2870.61,-825 3163.12,-825 3169.74,-831.62 3194.18,-831.62 3200.8,-825 3266,-825 3267.77,-823.23 3604.23,-823.23 3898.5,-1117.5 ; 3899,-1117 4009.5,-1117 4033.57,-1092.93 4144.08,-1092.93 4189.14,-1138 4280.75,-1138 4313.75,-1171 4476.07,-1171 4479,-1168.07 4479,-1116.83 4545.66,-1050.18 4576.54,-1050.18 v1(4607.78,-1081.42)
  Int6 (Sign) w5: v1(1220,278) 1343,278 1682,-61 1882,-61 1990,-169 2259.93,-169 2276,-185.07 2517.07,-185.07 2541,-209 2541,-222.02 2549.5,-230.52 2549.5,-333.5 2565.92,-349.92 2565.92,-350.93 2574,-359.02 2574,-374.55 2611.19,-411.74 2619.97,-411.74 2658,-449.78 2658,-612.39 2747.7,-702.09 2747.7,-712.7 2759.08,-724.09 2769.7,-724.09 v1(2834,-788.39)
  Bottom Layer w5: R6.2@1209,159 1171,159 1154,176 1154,252 1180,278 v1(1220,278) ; U11.12@4581.81,-1081.42 v1(4607.78,-1081.42)
FPGA_TCK: J11.6 R119.2 SW1.6 U4.H12 | length 4337.3
  Top Layer w5: U4.H12@708.66,-433.07 v1(728.35,-413.39) ; J11.6@1672.13,-2247.13 1672.13,-2159.87 1703,-2129 1703,-2102 v2@1705,-2100
  Int3 (Sign) w5: v1(728.35,-413.39) 728.35,-414 739,-424.65 739,-433 749,-443 749,-455.96 764.04,-471 987,-471 997,-481 997,-552.8 999.5,-555.3 999.5,-584.7 997,-587.2 997,-618.94 996.5,-619.44 996.5,-640.56 997,-641.06 997,-657.06 1039.16,-699.22 1039.16,-743.33 1014,-768.49 1014,-835.86 1020.5,-842.36 1020.5,-847.42 1029.58,-856.5 1034.64,-856.5 1133.14,-955 1178.47,-955 1178.97,-955.5 1224.3,-955.5 1235.8,-944 1449.14,-944 1453.14,-948 1453.44,-948 1601.94,-1096.5 1616.08,-1096.5 1627.5,-1107.92 1627.5,-1122.07 1871.44,-1366 2132.3,-1366 2143.8,-1354.5 2239.36,-1354.5 2537,-1652.14 2537,-1724.26 2509,-1752.26 2509,-1905.71 2511.48,-1908.2 2511.48,-2044.86 2521.48,-2054.86 2521.48,-2115.52 2496.58,-2140.42 2454.56,-2140.42 2444.56,-2130.42 2119.28,-2130.42 2114.86,-2126 2088.07,-2126 2059.07,-2097 1974,-2097 v2(1704,-2097)
  Bottom Layer w5: v2@1706,-2097 1709.14,-2097 1718.95,-2106.81 R119.2@1842.44,-2106.81 ; v2(1974,-2099) 1974,-2098 1970,-2094 1970,-2068 1988.08,-2049.92 SW1.6@2025.98,-2049.92
FPGA_TDI: J11.10 R118.2 SW1.8 U4.H10 | length 4460.2
  Top Layer w5: U4.H10@708.66,-354.33 v1(728.35,-334.65) ; J11.10@1829.61,-2247.13 1834,-2242.73 v2(1834,-2147.5)
  Int3 (Sign) w5: v1(728.35,-334.65) 728.35,-337.62 737,-346.28 737,-354 749,-366 749,-389 755.5,-395.5 943.5,-395.5 1037.5,-489.5 1037.5,-668.5 1059.16,-690.16 1059.16,-800.69 1062.5,-804.03 1062.5,-820.42 1170.08,-928 1193.81,-928 1207.31,-914.5 1228.44,-914.5 1237.94,-924 1457.43,-924 1461.43,-928 1490,-928 1908,-1346 2124.02,-1346 2135.52,-1334.5 2253.5,-1334.5 2559,-1640 2559,-2118 ; v2(1834,-2147.5) 1834,-2148.39 1849.11,-2163.5 1853.5,-2163.5 1856,-2166 1926,-2166 ; v2(1927,-2147.5) 1927,-2166 2512,-2166 2559.5,-2118.5
  Bottom Layer w5: R118.2@1844.32,-1956 1853.5,-1946.82 1853.5,-1912.5 1880,-1886 1933,-1886 1984.46,-1937.46 ; v2(1927,-2147.5) 1927,-2087 1984.46,-2029.54 1984.46,-1937.46 ; SW1.8@2025.98,-1949.92 2013.52,-1937.46 1984.46,-1937.46
FPGA_TDO: J11.8 R120.2 SW1.7 U4.J10 | length 4479.1
  Top Layer w5: U4.J10@669.29,-354.33 v1(688.98,-334.65) ; v2@1683,-2051 1681,-2053 1681,-2061 1688,-2068 1717,-2068 1750.87,-2101.87 J11.8@1750.87,-2247.13
  Int3 (Sign) w5: v1(688.98,-334.65) 711,-356.67 711,-469 747,-505 942,-505 977,-540 977,-561.08 979.5,-563.58 979.5,-576.42 976.5,-579.42 976.5,-664.85 1000,-688.35 1000,-695.26 998.16,-697.1 998.16,-718.22 1015,-735.06 1015,-739.2 994,-760.2 994,-844.14 1000.5,-850.64 1000.5,-855.7 1021.3,-876.5 1026.36,-876.5 1124.86,-975 1139,-975 1139.5,-975.5 1232.58,-975.5 1244.08,-964 1268.86,-964 1272.86,-968 1444.86,-968 1526.61,-1049.75 1526.61,-1062.19 1578.5,-1114.08 1578.5,-1128.22 1595.78,-1145.5 1609.92,-1145.5 1850.42,-1386 2140.59,-1386 2152.09,-1374.5 2206.5,-1374.5 2489,-1657 2489,-2031.34 2409.92,-2110.42 2186.42,-2110.42 2155.5,-2079.5 2139,-2063 1698,-2063 v2(1682,-2047)
  Bottom Layer w5: v2@1681,-2047 v2(1682,-2047) 1687.14,-2047 1695.77,-2055.63 R120.2@1842.44,-2055.63 ; SW1.7@2025.98,-1999.92 2074.92,-1999.92 v2(2155,-2080)
FPGA_TMS: J11.4 R121.2 SW1.5 U4.H11 | length 4582.9
  Top Layer w5: U4.H11@708.66,-393.7 v1(728.35,-374.02) ; J11.4@1593.39,-2247.13 1593.39,-2153.61 1623,-2124 v2@1649,-2124
  Int3 (Sign) w5: v1(728.35,-374.02) 728.35,-374.63 739,-385.28 739,-395 749,-405 749,-426 760.26,-437.26 970.26,-437.26 1009,-476 1009,-550.65 1009.5,-551.15 1009.5,-588.85 1009,-589.35 1009,-621.08 1006.5,-623.58 1006.5,-636.42 1009,-638.92 1009,-654.92 1049.16,-695.08 1049.16,-747.47 1024,-772.63 1024,-789.7 1025.27,-790.97 1025.27,-810.64 1036.78,-822.15 1042.42,-822.15 1051.5,-831.23 1051.5,-832.87 1060.37,-841.74 1060.37,-868.09 1076.6,-884.32 1085.68,-893.4 1110.32,-893.4 1154.92,-938 1197.95,-938 1211.45,-924.5 1224.3,-924.5 1233.8,-934 1453.28,-934 1457.28,-938 1457.58,-938 1606.08,-1086.5 1620.22,-1086.5 1637.5,-1103.78 1637.5,-1117.92 1875.58,-1356 2128.16,-1356 2139.66,-1344.5 2243.5,-1344.5 2549,-1650 2549,-2110 2508.58,-2150.42 2450.42,-2150.42 2447,-2147 1973,-2147 v2(1973,-2146) 1955,-2128 1846,-2128 1843,-2125 v2(1649,-2125)
  Bottom Layer w5: v2@1655,-2126 1649,-2120 1649,-2081.93 1641,-2073.93 1641,-2036 1670,-2007 R121.2@1842.32,-2007 ; v2(1973,-2146) 1973,-2142.87 2015.94,-2099.92 SW1.5@2025.98,-2099.92
FPGAIO_TURBO: SW6.2 U4.N2 U11.18 | length 5577.5
  Top Layer w5: U4.N2@511.81,-39.37 v1(531.5,-19.69) ; v1(3968.6,-743.31) 3981.35,-730.56 3985.84,-730.56 4010.98,-705.42 SW6.2@4010.98,-659.92
  Int1 (Sign) w5: v1(3690,-320) 3775.82,-320 3822.82,-367 3822.82,-462.08 3954.34,-593.59 3954.34,-708.77 3968.6,-723.04 v1(3968.6,-743.31) 3968.6,-744.4 v1@3968,-745
  Int3 (Sign) w5: v1(531.5,-19.69) 553.67,-19.69 560.57,-12.79 595.21,-12.79 603.82,-4.19 608.97,-4.19 612.32,-0.83 631.88,-0.83 635.48,2.76 644.76,2.76 663.08,21.08 663.08,57.72 673.5,68.15 673.5,73.44 698.67,98.61 746.92,98.61 751.04,102.74 804.02,102.74 809.28,108 832.48,108 847.48,123 1289.14,123 1311.17,100.96 1353.33,100.96 1680.29,-226 1700.28,-226 1704.78,-221.5 1729.22,-221.5 1746.5,-238.78 1746.5,-240.78 1746.72,-241 1836.08,-241 1853.58,-258.5 2054.98,-258.5 2056.98,-256.5 2168.85,-256.5 2172.35,-253 2219.51,-253 2225.01,-258.5 2266.85,-258.5 2267.85,-257.5 2269.99,-257.5 2274.49,-253 2318.65,-253 2345.15,-279.5 2534.64,-279.5 2562.64,-251.5 2684.58,-251.5 2764.53,-331.45 2764.53,-360.45 2785.58,-381.5 2798.81,-381.5 2812.69,-367.61 2893.39,-367.61 2954,-307 3677,-307 v1(3690,-320) ; v1@3971,-742 3972.31,-743.31 4070.74,-743.31 4079.88,-734.17 4220.77,-734.17 4222.02,-735.42 4427.3,-735.42 4432.72,-730 4638,-730 4644,-736 4644,-1083.77 4558,-1169.77 4558,-1174.07 4555.07,-1177 4527,-1177 v1(4490,-1214)
  Bottom Layer w5: v1(4490,-1214) 4491,-1214 4501.1,-1203.9 U11.18@4501.1,-1146.38
FTDI_N: U5.7 U12.2 | length 708.4
  Int6 (Sign) w15: v1@490.33,-1664.84 496.5,-1671 496.5,-1671.5 510.02,-1685.02 510.02,-1695.03 v1(510.21,-1695.22)
  Bottom Layer w10: U12.2@205.89,-1622.65 211.72,-1622.65 213.56,-1624.49 254.7,-1624.49 305.56,-1675.35 456.25,-1675.35 467.14,-1664.47 490.05,-1664.47 v1(490.14,-1664.38) ; v1(510.21,-1695.22) 511.84,-1695.22 525.31,-1681.74 538.19,-1681.74 563.62,-1656.31 791.31,-1656.31 810.39,-1675.39 U5.7@845.35,-1675.39
FTDI_NRST: R42.2 R73.2 | length 700.9
  Int6 (Sign) w5: v1(373,-1773) 400,-1773 431,-1742 431,-1584.58 427.5,-1581.08 427.5,-1520.92 438.92,-1509.5 453.5,-1509.5 460,-1503 v1@512,-1503
  Bottom Layer w5: R73.2@346.81,-1772.13 347.69,-1773 v1(373,-1773) ; v1(510,-1504) 512.98,-1504 517.98,-1499 580.69,-1436.32 R42.2@771,-1436.32
FTDI_P: U5.8 U12.3 | length 682.5
  Bottom Layer w10: U12.3@205.89,-1642.34 207.73,-1640.49 248.07,-1640.49 298.93,-1691.35 462.88,-1691.35 464.84,-1689.39 483.74,-1689.39 485.4,-1687.73 492.25,-1687.73 497.6,-1682.38 502.76,-1677.22 513,-1666.97 v1@513,-1666 ; v1@518.14,-1661.86 535.45,-1661.86 556.99,-1640.31 797.94,-1640.31 813.34,-1655.71 U5.8@845.35,-1655.71
  other v1: 484.25,-1688.88 517,-1663